# Altium PCB SRAD_SAC.PcbDoc
Units mm, origin at the board's own origin, x right, y up, seen from the top; angles counter-clockwise.
Board outline 107 x 54 mm, 2 copper layers (Top Layer, Bottom Layer), stack 1.67 mm thick; 38 components, 28 nets, 162 pads, 17 vias.
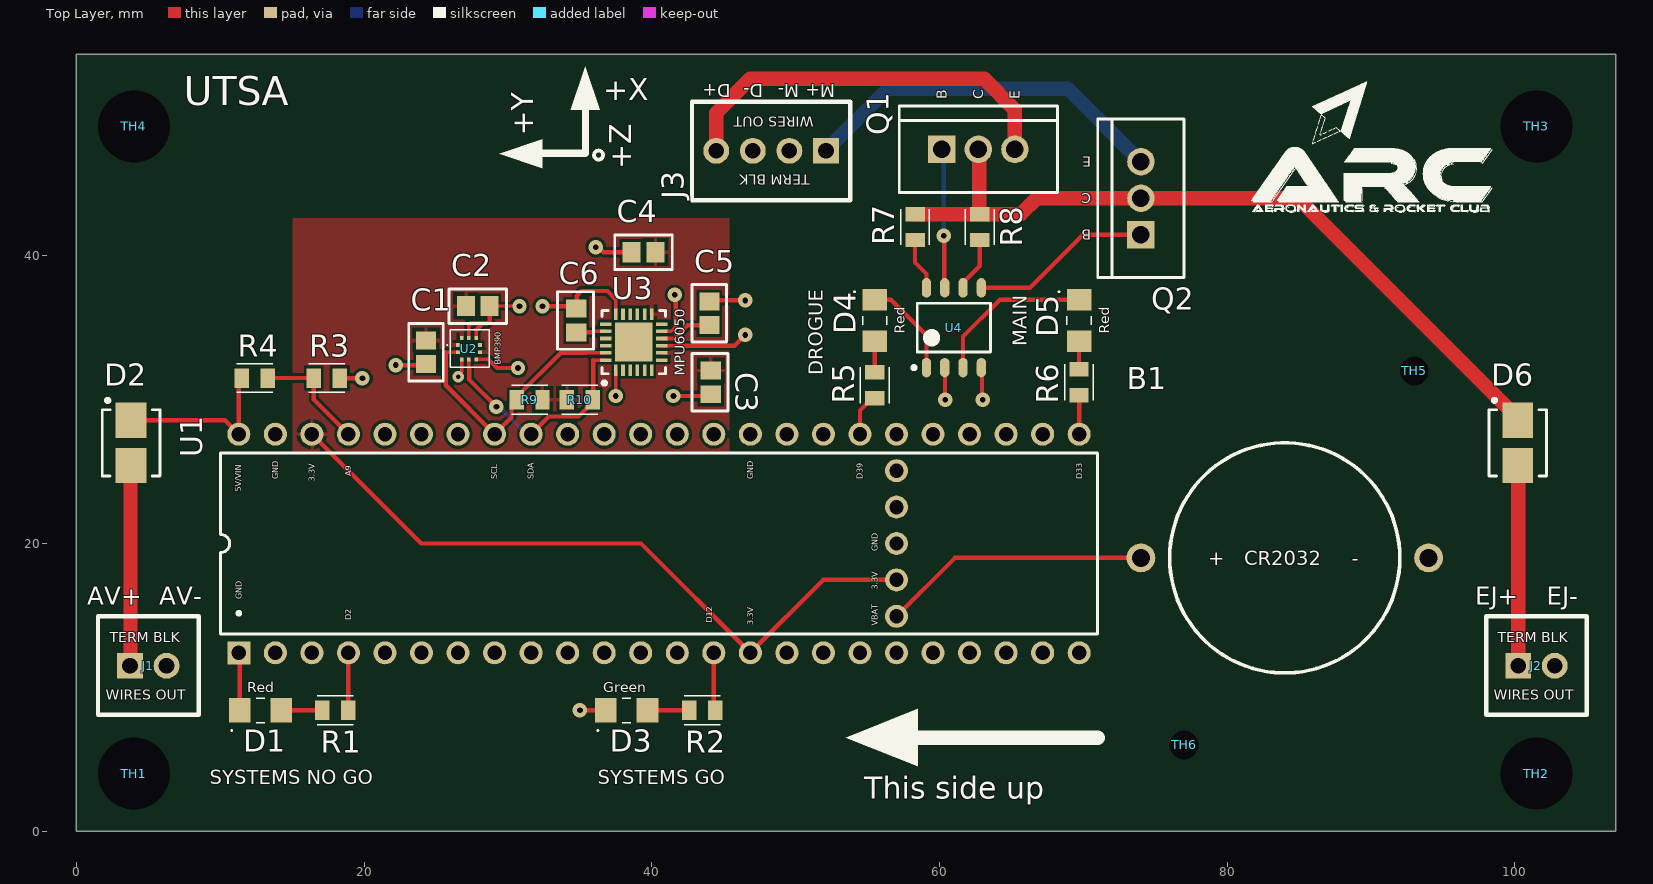
[diagram p0: Top Layer view]
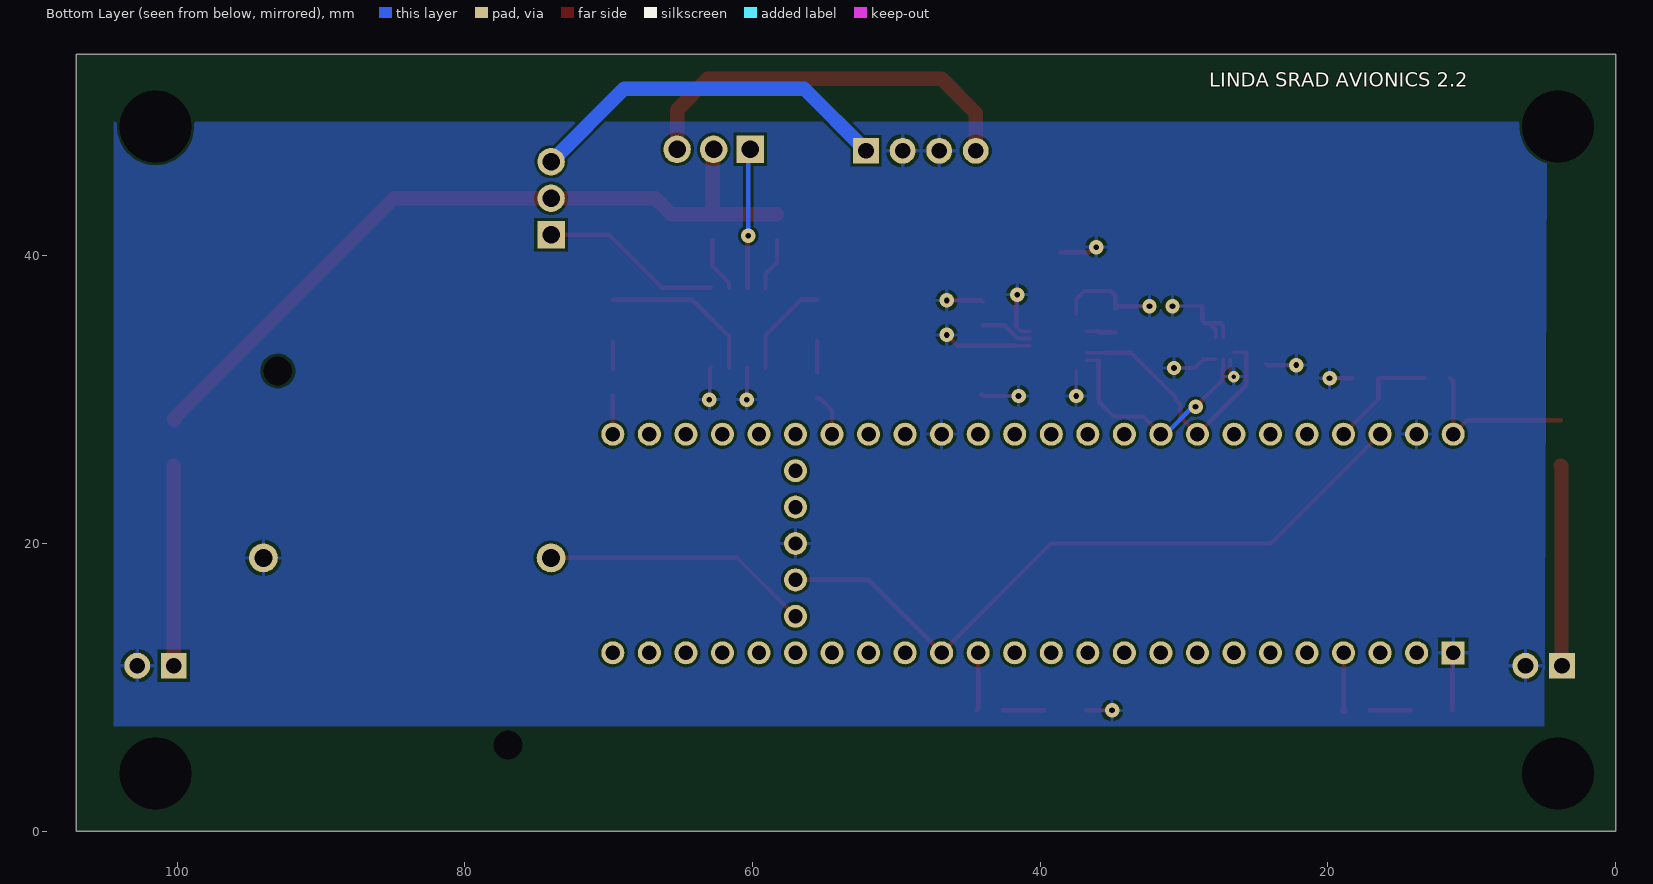
[diagram p1: Bottom Layer view, seen from below]
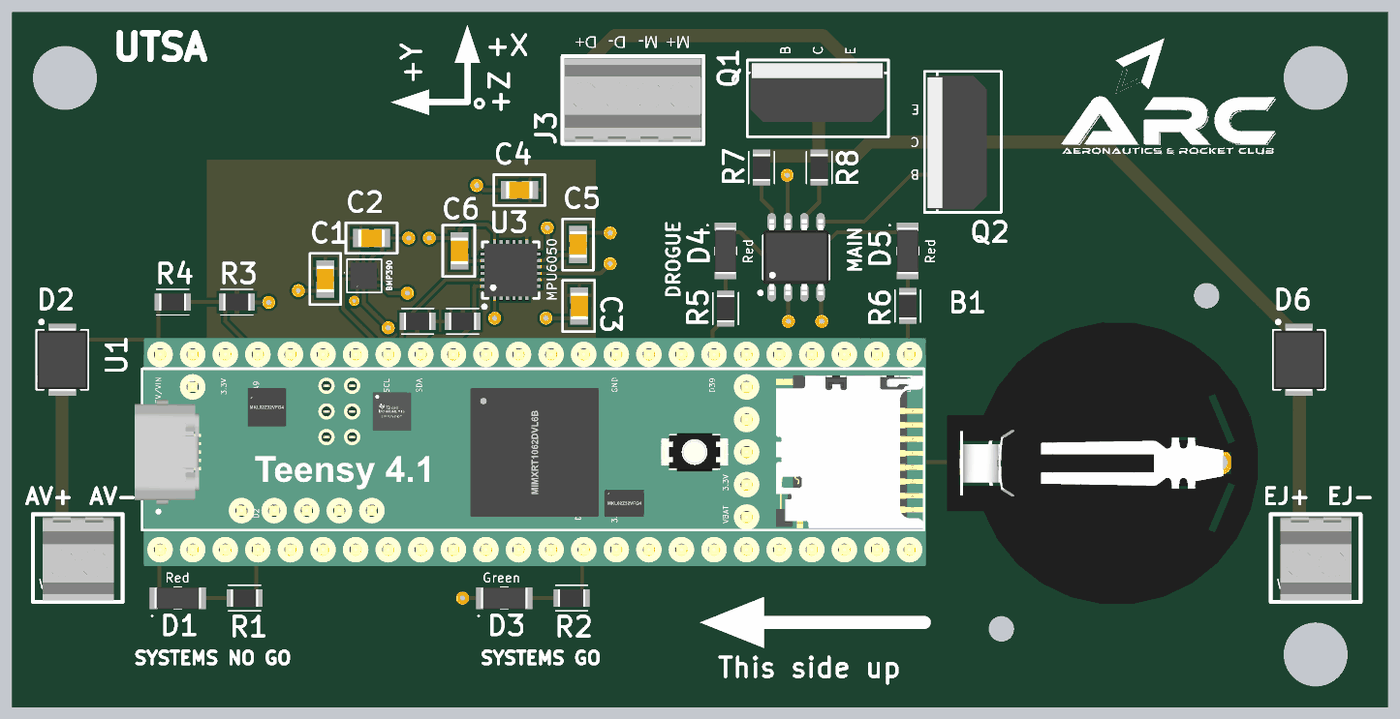
[diagram p2: 3D render of the assembled board from above, using the file's embedded part models]

## Layer stack, top to bottom
Top Solder: solder mask 0.0102, Solder Resist, Dk 3.5
Top Layer: signal copper 0.035
Dielectric 1: dielectric 1.6, FR-4, Dk 4.8
Bottom Layer: signal copper 0.035
Bottom Solder: solder mask 0.0102, Solder Resist, Dk 3.5

## Board outline
0,0 0,54 107,54 107,0

## Design rules (kind name [scope] priority, off if disabled: settings)
BoardOutlineClearance [All] p1: gap=0.2 ignorepadtopadclearanceinfootprint=FALSE
Clearance [All] p1: gap=0.2 ignorepadtopadclearanceinfootprint=TRUE
Clearance ClearanceDifferentNets [All] p2: gap=0.254 ignorepadtopadclearanceinfootprint=TRUE except(0.127: Arc-Arc Arc-Track Track-Track SMDPad-SMDPad; 0.2: Arc-SMDPad Arc-THPad Track-SMDPad Track-THPad; 0.5: THPad-THPad)
HoleSize [All] p1: absolutevalues=TRUE maxlimit=6.3 minlimit=0.2 maxpercent=80.000 minpercent=20.000
HoleSize NPTHSize [InDrillLayerPair('Top Layer - Bottom Layer')] p2: absolutevalues=TRUE maxlimit=6.3 minlimit=0.5 maxpercent=80.000 minpercent=20.000 // Non-Plated
HoleToHoleClearance [All] p1: gap=0.5 allowstackedmicrovias=TRUE
MinimumAnnularRing [All] p1: minimumring=0.25
MinimumSolderMaskSliver [All] p1: minsoldermaskwidth=0
PolygonConnect [All] p1: connectstyle=Relief reliefconductorwidth=0.254 reliefentries=4 polygonreliefangle="90 Angle" airgapwidth=0.254
RoutingTopology [InNet('3.3V')] p1: topology=Vertical
RoutingVias [All] p1: holewidth=0.5 width=1.3 viastyle="Through Hole" minholewidth=0.3 minwidth=0.5 maxholewidth=0.7 maxwidth=1.3
SMDNeckDown [InNet('VDARLING')] p1: percent=100.000
SolderMaskExpansion [InPadClass('All Pads')] p1: expansion=0.05 istentingtop=FALSE
Width "Schematic Width Constraint_5" [InNet('DROGUE_OUT_DARLING')] p1: maxlimit=1 minlimit=0.3 preferedwidth=1
Width "Schematic Width Constraint_4" [InNet('VDARLING')] p2: maxlimit=1 minlimit=0.3 preferedwidth=1
Width "Schematic Width Constraint_2" [InNet('V2')] p3: maxlimit=1 minlimit=0.3 preferedwidth=1
Width "Schematic Width Constraint" [InNet('MAIN_OUT_DARLING')] p4: maxlimit=1 minlimit=0.3 preferedwidth=1
Width [All] p5: maxlimit=1 minlimit=0.127 preferedwidth=0.3
26 further rules are at their usual default settings.

## Components (designator, comment, footprint, x,y, rotation, side; value= is the part's Value field where it differs from the comment)
B1 "CR2032" CR2032 84,19 r0 top
C1 "0.1uF" CAPC2012X14N_1_35mm_HEIGHT 24.3,33.3 r90 top
C2 "0.1uF" CAPC2012X14N_1_35mm_HEIGHT 27.9,36.5 r180 top
C3 "10nF" CAPC2012X07N_06mmHEIGHT 44.1,31.2 r90 top
C4 "0.1uF" CAPC2012X14N_1_35mm_HEIGHT 39.425,40.25 r180 top
C5 "0.1uF" CAPC2012X14N_1_35mm_HEIGHT 44,36 r90 top
C6 "2.2nF" CAPC2012X07N_06mmHEIGHT 34.75,35.5 r90 top
D1 "HSMC-C150" "DIOM3216X12N RED" 12.8,8.4 r180 top
D2 "LSM115JE3/TR13" DIOM4336X33N 3.8,27 r90 top
D3 "HSMM-C150" "DIOM3216X12N GREEN" 38.25,8.4 r180 top
D4 "HSMC-C150" "DIOM3216X12N RED" 55.5,35.5 r90 top
D5 "HSMC-C150" "DIOM3216X12N RED" 69.7,35.5 r90 top
D6 "LSM115JE3/TR13" DIOM4336X33N 100.2,27 r90 top
J1 "TERM BLK 4BP" "PCB TERM BLK 2P 2.54MM" 5,11.5 r0 top
J2 "TERM BLK 4BP" "PCB TERM BLK 2P 2.54MM" 101.5,11.5 r0 top
J3 "TERM BLK 4BP" "PCB TERM BLK 4P 2.54MM" 48.29,47.3 r180 top
Q1 "TIP121TU" "TIP121TU DARLINGTON" 62.7,47.4 r90 top
Q2 "TIP121TU" "TIP121TU DARLINGTON" 74,44 r180 top
R1 "1 kOhms" RESC2012X06N 18,8.4 r180 top value=1kR
R2 "200 Ohms" RESC2012X06N 43.5,8.4 r180 top
R3 "1 kOhms" RESC2012X06N 17.4,31.5 r180 top value=1kR
R4 "3.3 kOhms" RESC2012X06N 12.4,31.5 r180 top
R5 "200 Ohms" RESC2012X06N 55.5,31 r90 top
R6 "200 Ohms" RESC2012X06N 69.7,31.2 r90 top
R7 "1 kOhms" RESC2012X06N 58.3,42 r90 top value=1kR
R8 "1 kOhms" RESC2012X06N 62.8,42 r90 top value=1kR
R9 "4.7 kOhms" RESC2012X06N 31.5,30 r180 top
R10 "4.7 kOhms" RESC2012X06N 35,30 r0 top
TH1 "TH5MM" "Mounting Hole Non-Plated"#1 -11,6.5 r0 top
TH2 "TH5MM" "Mounting Hole Non-Plated"#2 102.5,4 r0 top
TH3 "TH5MM" "Mounting Hole Non-Plated"#3 101.5,49 r0 top
TH4 "TH5MM" "Mounting Hole Non-Plated"#3 4,49 r0 top
TH5 "TH2MM" "Mounting Hole Non-Plated 2MM" 93,32 r90 top
TH6 "TH2MM" "Mounting Hole Non-Plated 2MM" 77,6 r90 top
U1 "Teensy 4.1" "Teensy 4.1" 40.5,20 r90 top
U2 "BMP390" BMP390 27.287,33.55 r90 top
U3 "MPU6050" MPU6050 38.75,34 r90 top
U4 "FOD8802C" "SOIC127P590X363-8N OPTO" 61,35 r90 top

## Footprints (in the part's own frame and the unit in brackets; to place one, negate y for a bottom-side part, rotate by r counter-clockwise, add the part's x,y. Pads: shape width x height; smd on the part's side, far side on the other; paste and mask are expansions set on the pad)
BMP390 [mm] "LGA, 20-Leads, Body 2.00x2.00mmx0.80mm, Pitch 0.50mm"
  rect 0.25x0.275 smd mask+0.05: 1(0.25,0.763) 2(-0.25,0.763) 6(-0.25,-0.763) 7(0.25,-0.763)
  rect 0.275x0.25 smd mask+0.05: 3(-0.75,0.5) 4(-0.75,0) 5(-0.75,-0.5) 8(0.75,-0.5) 9(0.75,0) 10(0.75,0.5)
  silkscreen extent -1.3,-1.4 1.3,1.52, body extent -1.03,-1.03 1.03,1.03, height 0.81
CAPC2012X07N_06mmHEIGHT [mm] "Chip Capacitor, 2-Leads, Body 2.00x1.25mm, IPC Medium Density"
  rect 1.25x1.4 smd: 1(-0.825,0) 2(0.825,0)
  silkscreen extent -2,-1.2 2,1.3, body extent -1.05,-0.67 1.05,0.67, height 0.7
CAPC2012X14N_1_35mm_HEIGHT [mm] "Chip Capacitor, 2-Leads, Body 2.00x1.25mm, IPC Medium Density"
  rect 1.25x1.4 smd: 1(-0.825,0) 2(0.825,0)
  silkscreen extent -2,-1.2 2,1.2, body extent -1.05,-0.67 1.05,0.67, height 1.45
CR2032 [mm]
  round 2 hole 1.25: 1(-10,0) 2(10,0)
  silkscreen extent -8,-8 8,8, body extent -11.25,-11.12 13.04,10.97, height 8.7
"DIOM3216X12N GREEN" [mm] "Molded Diode, 2-Leads, Body 3.20x1.60mm, IPC Medium Density"
  rect 1.5x1.7 smd: 1(-1.45,0) 2(1.45,0)
  silkscreen extent -0.3,-0.85 2.05,1.45, body extent -1.87,-0.85 1.87,0.85, height 1.2
"DIOM3216X12N RED" [mm] "Molded Diode, 2-Leads, Body 3.20x1.60mm, IPC Medium Density"
  rect 1.5x1.7 smd: 1(-1.45,0) 2(1.45,0)
  silkscreen extent -0.3,-0.85 2.05,1.45, body extent -1.87,-0.85 1.87,0.85, height 1.2
DIOM4336X33N [mm] "Molded Diode, 2-Leads, Body 4.31x3.62mm, IPC Medium Density"
  rect 2.45x2.15 smd: 1(-1.575,0) 2(1.575,0)
  silkscreen extent -2.3,-2 3.07,2, body extent -2.5,-1.97 2.5,1.97, height 3.3
"Mounting Hole Non-Plated"#1 [mm]
  round 0 hole 5 unplated: "Mounting Hole Non-Plated"(15,-2.5)
"Mounting Hole Non-Plated"#2 [mm]
  round 0 hole 5 unplated: "Mounting Hole Non-Plated"(-1,0)
"Mounting Hole Non-Plated"#3 [mm]
  round 0 hole 5 unplated: "Mounting Hole Non-Plated"(0,0)
"Mounting Hole Non-Plated 2MM" [mm]
  round 0 hole 2 unplated: "Mounting Hole Non-Plated"(0,0)
MPU6050 [mm] "QFN, 24-Leads, Body 4.00x4.00mm, Pitch 0.50mm, Thermal Pad 2.70x2.60mm, IPC Medium Density"
  rect 0.8x0.25 smd mask+0.05: 1(-1.95,1.25) 2(-1.95,0.75) 3(-1.95,0.25) 4(-1.95,-0.25) 5(-1.95,-0.75) 6(-1.95,-1.25) 13(1.95,-1.25) 14(1.95,-0.75) 15(1.95,-0.25) 16(1.95,0.25) 17(1.95,0.75) 18(1.95,1.25)
  rect 0.25x0.8 smd mask+0.05: 7(-1.25,-1.95) 8(-0.75,-1.95) 9(-0.25,-1.95) 10(0.25,-1.95) 11(0.75,-1.95) 12(1.25,-1.95) 19(1.25,1.95) 20(0.75,1.95) 21(0.25,1.95) 22(-0.25,1.95) 23(-0.75,1.95) 24(-1.25,1.95)
  rect 2.7x2.6 smd mask+0.05: 25(0,0)
  silkscreen extent -2.97,-2.2 2.2,2.2, body extent -2.05,-2.05 2.05,2.05, height 0.95
"PCB TERM BLK 2P 2.54MM" [mm]
  rect 1.8x1.8 hole 1.1: 1(-1.27,0)
  round 1.8 hole 1.1: 2(1.27,0)
  silkscreen extent -3.5,-3.4 3.5,3.45, body extent -2.74,-3.3 2.8,3.2, height 9.51
"PCB TERM BLK 4P 2.54MM" [mm]
  rect 1.8x1.8 hole 1.1: 1(-3.81,0)
  round 1.8 hole 1.1: 2(-1.27,0) 3(1.27,0) 4(3.81,0)
  silkscreen extent -5.5,-3.4 5.5,3.45, body extent -5.31,-3.22 5.31,3.27, height 9.51
RESC2012X06N [mm] "Chip Resistor, 2-Leads, Body 2.00x1.25mm, IPC Medium Density"
  rect 1x1.35 smd: 1(-0.9,0) 2(0.9,0)
  silkscreen extent -1.25,-1 1.25,1, body extent -1.05,-0.67 1.05,0.67, height 0.6
"SOIC127P590X363-8N OPTO" [mm] "SOIC, 8-Leads, Body 4.88x3.91mm, Pitch 1.27mm, IPC Medium Density"
  oval 1.35x0.65 smd: 1(-2.775,1.905) 2(-2.775,0.635) 3(-2.775,-0.635) 4(-2.775,-1.905) 5(2.775,-1.905) 6(2.775,-0.635) 7(2.775,0.635) 8(2.775,1.905)
  silkscreen extent -2.9,-2.55 1.7,2.9, body extent -2.97,-2.55 2.97,2.55, height 3.63
"Teensy 4.1" [mm]
  rect 1.6x1.6 hole 1: 1(-7.6,29.21)
  round 1.6 hole 1: 2(-7.6,26.67) 3(-7.6,24.13) 4(-7.6,21.59) 5(-7.6,19.05) 6(-7.6,16.51) 7(-7.6,13.97) 8(-7.6,11.43) 9(-7.6,8.89) 10(-7.6,6.35) 11(-7.6,3.81) 12(-7.6,1.27) 13(-7.6,-1.27) 14(-7.6,-3.81) 15(-7.6,-6.35) 16(-7.6,-8.89) 17(-7.6,-11.43) 18(-7.6,-13.97) 19(-7.6,-16.51) 20(-7.6,-19.05) 21(-7.6,-21.59) 22(-7.6,-24.13) 23(-7.6,-26.67) 24(-7.6,-29.21) 25(7.6,-29.21) 26(7.6,-26.67) 27(7.6,-24.13) 28(7.6,-21.59) 29(7.6,-19.05) 30(7.6,-16.51) 31(7.6,-13.97) 32(7.6,-11.43) 33(7.6,-8.89) 34(7.6,-6.35) 35(7.6,-3.81) 36(7.6,-1.27) 37(7.6,1.27) 38(7.6,3.81) 39(7.6,6.35) 40(7.6,8.89) 41(7.6,11.43) 42(7.6,13.97) 43(7.6,16.51) 44(7.6,19.05) 45(7.6,21.59) 46(7.6,24.13) 47(7.6,26.67) 48(7.6,29.21) 49(-5.06,-16.51) 50(-2.53,-16.51) 51(0,-16.51) 52(2.53,-16.51) 53(5.06,-16.51)
  silkscreen extent -6.3,-30.48 6.3,30.48, body extent -9.09,-30.61 8.69,31.05, height 2.45
"TIP121TU DARLINGTON" [mm]
  rect 1.91x1.91 hole 1.21: 1(0,2.54)
  round 1.91 hole 1.21: 2(0,0) 3(0,-2.54)
  silkscreen extent -3,-5.5 3,5.5, body extent -1.85,-5.16 2.75,5.26, height 19.71

## Part data
B1: "CR2032 Coin cell battery of 3V."
C1 C2 C4 C5: library part CC0805JPX7R8BB104, "Capacitor Multilayer Ceramic MLCC - SMD/SMT 25 V 0.1uF X7R 0805 5%", Manufacturer=Yageo, Supplier Part Number 1=603-CC0805JPX7R8BB10, Category="Ceramic Capacitors", Manufacturer Part Number=CC0805JPX7R8BB104, Pricing 1="1=0.14000, 10=0.09400, 50=0.09400, 100=0.04800, 1000=0.02900, 10000=0.02300 (USD)", RoHS=Yes, RoHS Compliant=Yes, Stock 1=164887, Supplier 1=Mouser
C3: library part CC0805JRX7R9BB103, "Capacitor Multilayer Ceramic MLCC - SMD/SMT 50V 10nF X7R 0805 5%", Case Code (Imperial)=0805, Case Code (Metric)=2012, Dielectric=X7R, Insulation Resistance=10GR, Manufacturer=Yageo, Max Operating Temperature=125°C, Min Operating Temperature=-55°C, Package Quantity=4000, Resistor Type=Ceramic, Supplier Part Number 1=603-CC805JRX7R9BB103, Tolerance=5%, Voltage Rating=50V, Case/Package=0805, Category="Ceramic Capacitors", ComponentLink1Description=https://datasheet.ciiva.com/26862/getdatasheetpartid-251801-26862952.pdf?src-supplier=Verical, ComponentLink1URL=https://datasheet.ciiva.com/26862/getdatasheetpartid-251801-26862952.pdf?src-supplier=Verical, ComponentLink2Description=https://datasheet.ciiva.com/11583/upy-gphc-x7r-6-3v-to-50v-8-11583532.pdf?src-supplier=Avnet, ComponentLink2URL=https://datasheet.ciiva.com/11583/upy-gphc-x7r-6-3v-to-50v-8-11583532.pdf?src-supplier=Avnet, ComponentLink3Description=https://datasheet.ciiva.com/13385/upy-gphc-x7r-6-3v-to-50v-8-13385902.pdf?src-supplier=Mouser, ComponentLink3URL=https://datasheet.ciiva.com/13385/upy-gphc-x7r-6-3v-to-50v-8-13385902.pdf?src-supplier=Mouser, Construction=Flat, Depth=1.25mm, Dissipation Factor=2.5%, Halogen Free="Halogen Free", Height=0.6mm, Lead Free="Lead Free", Length=2mm, Manufacturer Part Number=CC0805JRX7R9BB103, Mounting Technology="Surface Mount", Packaging="Tape and Reel", Pins=2, Pricing 1="1=0.12000, 10=0.05000, 50=0.05000, 100=0.04100, 1000=0.02400, 10000=0.01700 (USD)", Radiation Hardening=No, RoHS=Yes, RoHS Compliant=Yes, Series=CC, Stock 1=102180, Supplier 1=Mouser, Termination=SMD/SMT, Thickness=0.071inch, Voltage Rating (DC)=50V, Width=0.049inch
C6: library part CC0805JRX7R9BB222, "Capacitor Multilayer Ceramic MLCC - SMD/SMT 50 V 2.2nF X7R 0805 5%", Case Code (Imperial)=0805, Case Code (Metric)=2012, Dielectric=X7R, Manufacturer=Yageo, Max Operating Temperature=125°C, Min Operating Temperature=-55°C, Resistor Type=Ceramic, Supplier Part Number 1=603-CC805JRX7R9BB222, Tolerance=5%, Voltage Rating=50V, Case/Package=0805, Category="Ceramic Capacitors", ComponentLink1Description=https://datasheet.ciiva.com/5425/upy-gphc-x7r-6-3v-to-50v-8-12304-5425448.pdf?src-supplier=Mouser, ComponentLink1URL=https://datasheet.ciiva.com/5425/upy-gphc-x7r-6-3v-to-50v-8-12304-5425448.pdf?src-supplier=Mouser, ComponentLink2Description=https://datasheet.ciiva.com/11583/upy-gphc-x7r-6-3v-to-50v-8-11583549.pdf?src-supplier=Avnet, ComponentLink2URL=https://datasheet.ciiva.com/11583/upy-gphc-x7r-6-3v-to-50v-8-11583549.pdf?src-supplier=Avnet, ComponentLink3Description=https://datasheet.ciiva.com/26829/getdatasheetpartid-407633-26829532.pdf?src-supplier=Verical, ComponentLink3URL=https://datasheet.ciiva.com/26829/getdatasheetpartid-407633-26829532.pdf?src-supplier=Verical, Depth=1.25mm, Halogen Free="Halogen Free", Height=0.6mm, Lead Free="Lead Free", Length=2mm, Manufacturer Part Number=CC0805JRX7R9BB222, Mounting Technology="Surface Mount", Packaging="Tape and Reel", Pricing 1="1=0.14000, 10=0.06300, 50=0.06300, 100=0.04600, 1000=0.02800, 10000=0.01700 (USD)", Radiation Hardening=No, RoHS=Yes, RoHS Compliant=Yes, Series=CC, Stock 1=8721, Supplier 1=Mouser, Termination=SMD/SMT, Thickness=0.028inch, Voltage Rating (DC)=50V, Width=0.049inch
D1 D4 D5: library part "DIOM3216X12N RED", "Red 626nm LED Indication - Discrete 1.9V 1206 (3216 Metric)", Case Code (Imperial)=1206, Case Code (Metric)=3016, Color=Red, Forward Current=20mA, Forward Voltage=1.9V, Lens Color=White, Manufacturer="Broadcom Avago", Max Operating Temperature=85°C, Max Power Dissipation=60mW, Min Operating Temperature=-40°C, Package Quantity=1, Reverse Voltage=5V, Supplier Part Number 1=516-2825-2-ND, Case/Package=1206, Category=LEDs, ComponentLink1Description=https://datasheet.ciiva.com/29281/180506-da-01-en-chip-led-hsmc-c150-rot-29281000.pdf?src-supplier=Conrad, ComponentLink1URL=https://datasheet.ciiva.com/29281/180506-da-01-en-chip-led-hsmc-c150-rot-29281000.pdf?src-supplier=Conrad, ComponentLink2Description=https://datasheet.ciiva.com/48430/hsmx-c110-170-190-191-150-eng-tds-48430136.pdf?src-supplier=Distrelec, ComponentLink2URL=https://datasheet.ciiva.com/48430/hsmx-c110-170-190-191-150-eng-tds-48430136.pdf?src-supplier=Distrelec, ComponentLink3Description=https://datasheet.ciiva.com/22656/80886-22656552.pdf?src-supplier=Element14, ComponentLink3URL=https://datasheet.ciiva.com/22656/80886-22656552.pdf?src-supplier=Element14, ComponentLink4Description=https://datasheet.ciiva.com/22656/80886-22656553.pdf?src-supplier=Element14, ComponentLink4URL=https://datasheet.ciiva.com/22656/80886-22656553.pdf?src-supplier=Element14, Depth=1.6mm, Dominant Wavelength=626nm, Height=1.1mm, Illumination Color=Red, Length=3.2mm, Lens Style=Diffused,Colorless,Rectangular, Lens Transparency=Diffused, Luminous Intensity=90mcd, Manufacturer Part Number=HSMC-C150, Mounting Technology="Surface Mount", Number of Elements=1, Number of LEDs=1, Packaging="Tape and Reel", Pins=2, Power Dissipation=60mW, Power Rating=60mW, Pricing 1="3000=0.18077, 6000=0.16871, 15000=0.16269, 30000=0.16028 (USD)", Radiation Hardening=No, Reach SVHC Compliant=Yes, RoHS=Yes, RoHS Compliant=Yes, Series=-, Stock 1=24000, Supplier 1=Digi-Key, Test Current=20mA, Viewing Angle=170°, Wavelength=626nm, Width=1.6mm
D2 D6: library part "DIOM4336X33N Schottky Diode", "Diode 15 V 1A Surface Mount DO-214BA 220mV dropout @1A 10mA leakage current @15V -55°C ~ 150°C Maximum surge current of 50A for 8.3ms", Manufacturer=Microchip, Supplier Part Number 1=150-LSM115JE3/TR13TR-ND, Category="Rectifier Diodes", Manufacturer Part Number=LSM115JE3/TR13, Pricing 1="3000=0.55500 (USD)", RoHS=Yes, Stock 1=319959, Supplier 1=Digi-Key
D3: library part "DIOM3216X12N GREEN", "Green 525nm LED Indication - Discrete 3.3V 1206 (3216 Metric)", Case Code (Imperial)=1206, Color=Green, Forward Current=20mA, Forward Voltage=3.3V, Lens Color=White, Manufacturer="Broadcom Avago", Max Operating Temperature=85°C, Max Power Dissipation=78mW, Min Operating Temperature=-40°C, Package Quantity=3000, Reverse Voltage=5V, Supplier Part Number 1=516-HSMM-C150TR-ND, Case/Package=1206, Category=LEDs, ComponentLink1Description=http://components.arrow.com/part/dataview/2630207S7245440N7786?src-supplier=Arrow+Electronics, ComponentLink1URL=http://components.arrow.com/part/dataview/2630207S7245440N7786?src-supplier=Arrow+Electronics, ComponentLink2Description=https://docs.broadcom.com/docs/AV02-0592EN?src-supplier=Digi-Key, ComponentLink2URL=https://docs.broadcom.com/docs/AV02-0592EN?src-supplier=Digi-Key, ComponentLink3Description=http://www.avagotech.com/docs/AV02-0592EN?src-supplier=Avnet, ComponentLink3URL=http://www.avagotech.com/docs/AV02-0592EN?src-supplier=Avnet, ComponentLink4Description=http://www.avagotech.com/docs/AV02-0592EN?src-supplier=Mouser, ComponentLink4URL=http://www.avagotech.com/docs/AV02-0592EN?src-supplier=Mouser, ComponentLink5Description=http://www.farnell.com/datasheets/1804332.pdf?src-supplier=Element14, ComponentLink5URL=http://www.farnell.com/datasheets/1804332.pdf?src-supplier=Element14, Contact Plating=Gold, Dominant Wavelength=525nm, Height=1.1mm, Illumination Color=Green, Lead Free="Lead Free", Length=3.2mm, Lens Style=Diffused,Colorless,Rectangular, Lens Transparency=Diffused, Luminous Intensity=120mcd, Manufacturer Part Number=HSMM-C150, Mounting Technology="Surface Mount", Number of LEDs=1, Packaging="Tape and Reel", Pins=2, Power Rating=78mW, Pricing 1="3000=0.48083, 6000=0.46999, 15000=0.45914 (USD)", RoHS=Yes, RoHS Compliant=Yes, Series=-, Stock 1=3000, Supplier 1=Digi-Key, Test Current=20mA, Viewing Angle=170°, Wavelength=525nm, Width=1.6mm
J1 J2: library part "PCB TERM BLK 2P 2.54MM", "2 Position Wire to Board Terminal Block Horizontal with Board 0.100\" (2.54mm) Through Hole 10A 150V 16-30 AWG 0.2 Nm M1.6 screw -40°C ~ 105°C", Color=Green, Current=10A, Flammability Rating="UL94 V-0", Manufacturer="TE Connectivity", Manufacturer Part Number=282834-2, Max Operating Temperature=105°C, Max Supply Voltage (AC)=150V, Min Operating Temperature=-40°C, Package Quantity=300, Supplier Part Number 1=A98333-ND, Approvals=UL, Category="Terminal Blocks", Closed End="No (Without)", ComponentLink1Description=https://datasheet.ciiva.com/16386/282834-2-16386363.pdf?src-supplier=Future+Electronics, ComponentLink1URL=https://datasheet.ciiva.com/16386/282834-2-16386363.pdf?src-supplier=Future+Electronics, ComponentLink2Description=https://datasheet.ciiva.com/30166/eng-cs-1308389-eurostyle-terminal-blocks-0607-30166974.pdf?src-supplier=Onlinecomponents.com, ComponentLink2URL=https://datasheet.ciiva.com/30166/eng-cs-1308389-eurostyle-terminal-blocks-0607-30166974.pdf?src-supplier=Onlinecomponents.com, ComponentLink3Description=https://datasheet.ciiva.com/14609/70086732-14609670.pdf?src-supplier=Allied+Electronics, ComponentLink3URL=https://datasheet.ciiva.com/14609/70086732-14609670.pdf?src-supplier=Allied+Electronics, ComponentLink4Description=https://datasheet.ciiva.com/15169/getdatasheetpartid-155864-15169558.pdf?src-supplier=Verical, ComponentLink4URL=https://datasheet.ciiva.com/15169/getdatasheetpartid-155864-15169558.pdf?src-supplier=Verical, ComponentLink5Description=https://datasheet.ciiva.com/3141/eng-cs-1308389-eurostyle-terminal-blocks-0607-3141115.pdf?src-supplier=Avnet, ComponentLink5URL=https://datasheet.ciiva.com/3141/eng-cs-1308389-eurostyle-terminal-blocks-0607-3141115.pdf?src-supplier=Avnet, Connector Type=Receptacle, Contact Material=Brass, Contact Plating=Tin, Current Rating=10A, Depth=6.5mm, ELV=Compliant, Gender=Male, Housing Color=Green, Housing Material=Polyamide, Interlock="No (Without)", Lead Free="Lead Free", Length=5.54mm, Material=Nylon, Max Current Rating=10A, Max Voltage Rating (AC)=150V, Mounting Technology="Through Hole", Number of Circuits=2, Number of Contacts=2, Number of Levels=1, Number of Poles=2, Number of Positions=2, Number of Positions Per Level=2, Number of Rows=1, Orientation=Straight, Packaging=Bulk, Pitch=2.54mm, Plating=Brass,Steel, Pricing 1="1=1.95000, 10=1.47400, 25=1.36640, 50=1.22860, 100=1.19860, 250=1.04876, 500=0.95886, 1000=0.86896, 5000=0.76409 (USD)", Radiation Hardening=No, RoHS=Yes, RoHS Compliant=Yes, Screw Flange="No (Without)", Screwless Terminal Block="Yes (With)", Series=Buchanan, Side Stackable="Yes (With)", Stock 1=34508, Supplier 1=Digi-Key, Tail Length=3.4mm, Termination=Solder, Thread Size=M1.6, Voltage=150V, Voltage Rating=150V, Width=6.5mm, Wire Gauge (Max)=30AWG, Wire Gauge (Min)=30AWG, Wire/Cable Gauge=30AWG
J3: library part "PCB TERM BLK 4P 2.54MM", "4 Position Wire to Board Terminal Block Horizontal with Board 0.100\" (2.54mm) Through Hole 10A 150V 16-30 AWG 0.2 Nm M1.6 screw -40°C ~ 105°C", Color=Green, Current=10A, Flammability Rating="UL94 V-0", Manufacturer="TE Connectivity", Manufacturer Part Number=282834-4, Max Operating Temperature=105°C, Max Supply Voltage (AC)=150V, Min Operating Temperature=-40°C, Package Quantity=150, Supplier Part Number 1=A98335-ND, Approvals=UL, Category="Terminal Blocks", Closed End="No (Without)", ComponentLink1Description=https://datasheet.ciiva.com/5741/1605505-5741440.pdf?src-supplier=Farnell, ComponentLink1URL=https://datasheet.ciiva.com/5741/1605505-5741440.pdf?src-supplier=Farnell, ComponentLink2Description=https://datasheet.ciiva.com/30254/eng-cs-1308389-eurostyle-terminal-blocks-0607-30254374.pdf?src-supplier=Onlinecomponents.com, ComponentLink2URL=https://datasheet.ciiva.com/30254/eng-cs-1308389-eurostyle-terminal-blocks-0607-30254374.pdf?src-supplier=Onlinecomponents.com, ComponentLink3Description=https://datasheet.ciiva.com/14609/70087596-14609846.pdf?src-supplier=Allied+Electronics, ComponentLink3URL=https://datasheet.ciiva.com/14609/70087596-14609846.pdf?src-supplier=Allied+Electronics, ComponentLink4Description=https://datasheet.ciiva.com/3141/eng-cs-1308389-eurostyle-terminal-blocks-0607-3141117.pdf?src-supplier=Avnet, ComponentLink4URL=https://datasheet.ciiva.com/3141/eng-cs-1308389-eurostyle-terminal-blocks-0607-3141117.pdf?src-supplier=Avnet, ComponentLink5Description=https://datasheet.ciiva.com/823/eng-cd-282834-c1-823474.pdf?src-supplier=Digi-Key, ComponentLink5URL=https://datasheet.ciiva.com/823/eng-cd-282834-c1-823474.pdf?src-supplier=Digi-Key, Connector Type=Receptacle, Contact Material=Brass, Contact Plating=Tin, Current Rating=10A, Depth=6.5mm, ELV=Compliant, Housing Color=Green, Housing Material=Polyamide, Interlock="No (Without)", Lead Free="Lead Free", Length=10.62mm, Max Current Rating=10A, Max Voltage Rating (AC)=150V, Mounting Technology="Through Hole", Number of Circuits=4, Number of Contacts=4, Number of Levels=1, Number of Poles=4, Number of Positions=4, Number of Positions Per Level=4, Number of Rows=1, Orientation=Straight, Packaging=Bulk, Pitch=2.54mm, Plating=Brass,Steel, Pricing 1="1=3.48000, 10=2.64900, 25=2.48120, 50=2.20540, 100=2.15740, 250=1.98964, 500=1.79786, 1000=1.59409, 5000=1.49821 (USD)", Radiation Hardening=No, RoHS=Yes, RoHS Compliant=Yes, Screw Flange="No (Without)", Screwless Terminal Block="Yes (With)", Series=Buchanan, Side Stackable="Yes (With)", Stock 1=8416, Supplier 1=Digi-Key, Tail Length=3.4mm, Termination=Solder, Thread Size=M1.6, Voltage=150V, Voltage Rating=150V, Wire Gauge (Max)=30AWG, Wire Gauge (Min)=30AWG, Wire/Cable Gauge=30AWG
Q1 Q2: "Bipolar (BJT) Transistor NPN - Darlington 80 V 5 A 2 W Through Hole TO-220-3", Case/Package=TO-220AB, Collector Base Voltage (VCBO)=80V, Collector Emitter Saturation Voltage=2V, Collector-emitter Voltage-Max=4V, Current Rating=5A, Emitter Base Voltage (VEBO)=5V, Manufacturer="ON Semiconductor / Fairchild", Max Operating Temperature=150°C, Max Power Dissipation=2W, Min Operating Temperature=-65°C, Package Quantity=50, Supplier Part Number 1=512-TIP121TU, Category=BJTs, Collector Emitter Breakdown Voltage=80V, Collector Emitter Voltage (VCEO)=80V, ComponentLink1Description=https://datasheet.ciiva.com/4459/tip121-197068-4459491.pdf?src-supplier=Mouser, ComponentLink1URL=https://datasheet.ciiva.com/4459/tip121-197068-4459491.pdf?src-supplier=Mouser, ComponentLink2Description=https://datasheet.ciiva.com/979/tip122-979470.pdf?src-supplier=Digi-Key, ComponentLink2URL=https://datasheet.ciiva.com/979/tip122-979470.pdf?src-supplier=Digi-Key, ComponentLink3Description=https://datasheet.ciiva.com/11211/tip121-11211002.pdf?src-supplier=Avnet, ComponentLink3URL=https://datasheet.ciiva.com/11211/tip121-11211002.pdf?src-supplier=Avnet, Contact Plating=Tin,Matte, Element Configuration=Single, Height=16.51mm, hFE Min=1000, Lead Free="Lead Free", Length=10.67mm, Manufacturer Part Number=TIP121TU, Max Collector Current=5A, Mounting Technology="Through Hole", Number of Elements=1, Packaging=Rail/Tube, Pins=3, Polarity=NPN, Power Dissipation=2W, Pricing 1="1=0.89000, 10=0.79300, 50=0.79300, 100=0.61300, 1000=0.43800, 10000=0.40800 (USD)", Radiation Hardening=No, RoHS=Yes, RoHS Compliant=Yes, Series=-, Stock 1=1945, Supplier 1=Mouser, Voltage Rating (DC)=80V, Weight=1.214g, Width=4.83mm
R1 R3 R7 R8: library part "RC0805FR-7W1KL Yageo", "1 kOhms ±1% 0.25W, 1/4W Chip Resistor 0805 (2012 Metric) Moisture Resistant Thick Film", Case/Package=0805, Manufacturer=Yageo, Manufacturer Part Number=RC0805FR-7W1KL, Supplier Part Number 1=13-RC0805FR-7W1KLTR-ND, Tolerance=1%, Category="Chip SMD Resistors", Pricing 1="5000=0.01838, 10000=0.01715, 25000=0.01629, 50000=0.01596, 125000=0.01562 (USD)", RoHS=Yes, RoHS Compliant=Yes, Stock 1=15000, Supplier 1=Digi-Key
R2 R5 R6: library part "RC0805FR-7W200RL Yageo", "200 Ohms ±1% 0.25W, 1/4W Chip Resistor 0805 (2012 Metric) Moisture Resistant Thick Film", Manufacturer=Yageo, Manufacturer Part Number=RC0805FR-7W200RL, Supplier Part Number 1=13-RC0805FR-7W200RL-ND, Category=Resistors, Pricing 1="5000=0.01838 (USD)", RoHS=No, Supplier 1=Digi-Key
R4: library part "RC0805FR-7W3K3L Yageo", "3.3 kOhms ±1% 0.25W, 1/4W Chip Resistor 0805 (2012 Metric) Moisture Resistant Thick Film", Manufacturer=Yageo, Manufacturer Part Number=RC0805FR-7W3K3L, Category="Chip SMD Resistors", Pricing 1="5000=0.00430, 10000=0.00424, 20000=0.00411 (USD)", RoHS=Yes, Supplier 1=Avnet, Supplier Part Number 1=RC0805FR-7W3K3L
R9 R10: library part "RC0805FR-7W4K7L Yageo", "4.7 kOhms ±1% 0.25W, 1/4W Chip Resistor 0805 (2012 Metric) Moisture Resistant Thick Film", Manufacturer=Yageo, Manufacturer Part Number=RC0805FR-7W4K7L, Supplier Part Number 1=13-RC0805FR-7W4K7L-ND, Category="Chip SMD Resistors", Pricing 1="5000=0.01838 (USD)", RoHS=Yes, RoHS Compliant=Yes, Supplier 1=Digi-Key
TH1 TH2 TH3 TH4: library part "Mounting Hole Non-Plated", "Non-plated THT 5mm diameter"
TH5 TH6: library part "Mounting Hole Non-Plated 2mm", "Non-plated THT 2mm diameter"
U1: "RT1062 Teensy 4.1 - ARM® Cortex®-M7 MCU 32-Bit Embedded Evaluation Board 600 MHz 100 mA RTC Built-in microSD Card reader Arduino IDE compatible", Manufacturer=SparkFun, Manufacturer Part Number=DEV-16996, Supplier Part Number 1=1568-DEV-16996-ND, Category="Embedded Processors and Controllers", Pricing 1="1=31.88000 (USD)", RoHS=No, Stock 1=300, Supplier 1=Digi-Key
U2: "Barometric pressure sensor manufactured by Bosch.", Supplier=Rutrinik24, Supplier ID=ICENVI1363
U3: "Accelerometer and gyroscope 6 DOF sensor. GY-521 breakout board by HiLetgo and MPU6050 chip by Invensense."
U4: "Optoisolator Transistor Output 2500Vrms 2 Channel 8-SOIC 75V max 30mA/channel Vf 1.35V -40°C ~ 125°C minimum CTR of   / 140% @ 1mA maximum CTR of   / 380% @ 1mA", Manufacturer="ON Semiconductor", Supplier Part Number 1=488-FOD8802C-ND, Category=Optocouplers, Manufacturer Part Number=FOD8802C, Pricing 1="1=1.72000, 10=1.54500, 25=1.45760, 100=1.24180, 250=1.16600, 500=1.02024, 1000=0.84535, 2500=0.78705, 5000=0.75790 (USD)", RoHS=No, Stock 1=2868, Supplier 1=Digi-Key

## Via types
v1: diameter 1, hole 0.4, Top Layer to Bottom Layer, 16 vias
v2: diameter 0.8, hole 0.3, Top Layer to Bottom Layer, 1 vias

## Nets (pads, with @x,y where several pads share a name; then routed paths per layer and width w, separated by ;. In a path a pad name is that pad's centre, name@x,y a point inside that pad or via, vN(x,y) a via of type N, cw(c..) or ccw(c..) an arc to the next point about the centre after c; other vN are vias at no path point)
3.3V: C1.2 C2.2 C3.2 C4.1 R9.1 R10.1 U1.15 U1.46 U1.50 U2.1 U2.6 U2.10 U3.8 U3.13 | length 49
  Top Layer w0.3: U1.46 23.97,20 39.25,20 U1.15 51.92,17.47 U1.50
A9: R3.2 R4.1 U1.45 | length 8.1
  Top Layer w0.3: R4.1 R3.2 16.5,30.01 U1.45
CHECK_VIN: D2.2 R4.2 U1.48 | length 11.9
  Top Layer w0.3: D2.2 10.315,28.575 U1.48 11.29,31.29 R4.2
CPOUT: C6.1 U3.20 | length 2.1
  Top Layer w0.25: 36.025,34.75 U3.20
  Top Layer w0.3: C6.1 35.95,34.675 36.025,34.75
DROGUE: R5.1 U1.31 | length 3
  Top Layer w0.3: U1.31 54.47,29.245 55.325,30.1 R5.1
DROGUE_OPTO: D4.2 U4.1 | length 6.9
  Top Layer w0.3: D4.2 56.631,36.95 59.102,34.479 U4.1@59.102,32.232
DROGUE_OPTO_C: R7.1 U4.8 | length 3.7
  Top Layer w0.3: R7.1 58.3,39.525 59.095,38.73 U4.8
DROGUE_OPTO_E: Q1.1 U4.7 | length 9.7
  Top Layer w0.3: v1(60.3,41.4) 60.332,41.367 60.332,37.807 U4.7
  Bottom Layer w0.3: Q1.1 60.3,47.26 v1(60.3,41.4)
DROGUE_OUT_DARLING: J3.4 Q1.3 | length 28
  Top Layer w1: J3.4 44.48,49.93 46.85,52.3 63.1,52.3 65.24,50.16 Q1.3
DROGUE_RED: D4.1 R5.2 | length 2.2
  Top Layer w0.3: R5.2 D4.1
GND: B1.2 C1.1 C2.1 C3.1 C4.2 C5.2 C6.2 D1.2 D3.2 J1.2 J2.2 J3.2 J3.3 R3.1 U1.1 U1.34 U1.47 U1.51 U2.3 U2.5 U2.8 U2.9 U3.1 U3.9 U3.11 U3.18 U4.2 U4.4 | length 51.8
  Top Layer w0.2: C2.1 v1(30.8,36.5)
  Top Layer w0.25: v2(26.55,31.6) 26.55,31.722 26.787,31.959 U2.3 ; U2.9 27.287,35.163 27.3,35.175 ; U2.5 28.65,32.8 ; U2.8 27.787,34.837 27.8,34.85 ; v1(37.5,30.25) U3.1 ; U3.18 37.5,36.975 ; U3.9 41.7,33.75 ; U3.11 41.353,34.75 41.664,35.061
  Top Layer w0.3: U1.1 11.35,12.34 D1.2 ; R3.1 18.317,31.483 v1(19.885,31.483) ; v1(22.2,32.4) 24.225,32.4 C1.1 ; 27.3,35.175 27.425,35.3 28.25,35.3 ; 27.8,34.85 28.25,35.3 ; 28.65,32.8 29.25,32.2 v1(30.7,32.2) ; C2.1 28.725,35.476 28.549,35.3 28.25,35.3 ; v1(32.4,36.5) 34.575,36.5 C6.2 34.788,36.363 34.788,37.224 35.113,37.55 36.925,37.55 37.5,36.975 ; v1(35,8.4) D3.2 ; v1(36.1,40.6) 36.289,40.6 36.639,40.25 C4.2 ; v1(41.5,30.25) 43.975,30.25 C3.1 ; v1(41.6,37.3) 41.664,37.236 41.664,35.061 ; 41.7,33.75 45.75,33.75 v1(46.5,34.5) ; C5.2 44.075,36.9 v1(46.5,36.9) ; U4.2 60.382,32.207 60.382,30.017 v1(60.4,30) ; U4.4 62.952,32.177 62.952,30.047 v1(63,30)
MAIN: R6.1 U1.25 | length 2.7
  Top Layer w0.3: R6.1 69.71,30.29 U1.25
MAIN_OPTO: D5.2 U4.3 | length 11.3
  Top Layer w0.3: U4.3 61.635,34.385 64.2,36.95 D5.2
MAIN_OPTO_C: R8.1 U4.6 | length 3.8
  Top Layer w0.3: U4.6 61.635,38.125 62.8,39.29 R8.1
MAIN_OPTO_E: Q2.1 U4.5 | length 12.6
  Top Layer w0.3: U4.5 66.288,37.775 69.973,41.46 Q2.1
MAIN_OUT_DARLING: J3.1 Q2.3 | length 25.8
  Bottom Layer w1: J3.1 56.425,51.625 68.915,51.625 Q2.3
MAIN_RED: D5.1 R6.2 | length 2
  Top Layer w0.3: R6.2 D5.1
REGOUT: C5.1 U3.10 | length 3.7
  Top Layer w0.25: U3.10 41.525,34.25
  Top Layer w0.3: 41.525,34.25 41.56,34.25 42.485,35.175 C5.1
SCL: R9.2 U1.41 U2.2 U3.23 | length 18.6
  Top Layer w0.25: 25.675,33.3 U2.2 ; 35.45,33.25 U3.23
  Top Layer w0.3: 25.675,33.3 25.675,30.995 U1.41 30.25,28.78 30.25,29.65 R9.2 30.6,30.175 33.675,33.25 35.45,33.25
SDA: R10.2 U1.40 U2.4 U3.24 | length 16.3
  Top Layer w0.25: U2.4 27.287,32.137 27.3,32.125 ; 35.925,32.75 U3.24
  Top Layer w0.3: 27.3,32.125 27.3,31.4 v1(29.2,29.5) ; U1.40 32.835,28.825 34.9,28.825 35.9,29.825 R10.2 35.925,30.025 35.925,32.75
  Bottom Layer w0.3: v1(29.2,29.5) 29.389,29.5 31.289,27.6 U1.40
SYSTEMS_BAD: R1.1 U1.4 | length 4
  Top Layer w0.3: R1.1@18.905,8.405 U1.4@18.905,12.395
  Top Layer w0.5: R1.1 R1.1@18.905,8.405 ; U1.4@18.905,12.395 U1.4
SYSTEMS_BAD_RED: D1.1 R1.2 | length 2.9
  Top Layer w0.3: D1.1 R1.2
SYSTEMS_GOOD: R2.1 U1.14 | length 4
  Top Layer w0.3: U1.14 44.31,8.49 R2.1
SYSTEMS_GOOD_GREEN: D3.1 R2.2 | length 2.9
  Top Layer w0.3: D3.1 R2.2
V1: D2.1 J1.1 | length 14
  Top Layer w1: J1.1 3.765,11.535 3.765,25.39 D2.1
V2: D6.1 J2.1 | length 13.9
  Top Layer w0.3: D6.1 D6.1@100.23,25.395
  Top Layer w1: J2.1 D6.1@100.23,25.395
VBAT: B1.1 U1.49 | length 18.7
  Top Layer w0.3: U1.49 61.07,19 B1.1
VDARLING: D6.2 Q1.2 Q2.2 R7.2 R8.2 | length 53.4
  Top Layer w1: R7.2 R8.2@62.75,42.9 ; Q1.2 62.75,47.35 R8.2@62.75,42.9 ; D6.2 100.2,28.725 84.925,44 Q2.2 66.75,44 65.65,42.9 R8.2 R8.2@62.75,42.9
pads on no net: "TH1.Mounting Hole Non-Plated" "TH2.Mounting Hole Non-Plated" "TH3.Mounting Hole Non-Plated" "TH4.Mounting Hole Non-Plated" "TH5.Mounting Hole Non-Plated" "TH6.Mounting Hole Non-Plated" U1.2 U1.3 U1.5 U1.6 U1.7 U1.8 U1.9 U1.10 U1.11 U1.12 U1.13 U1.16 U1.17 U1.18 U1.19 U1.20 U1.21 U1.22 U1.23 U1.24 U1.26 U1.27 U1.28 U1.29 U1.30 U1.32 U1.33 U1.35 U1.36 U1.37 U1.38 U1.39 U1.42 U1.43 U1.44 U1.52 U1.53 U2.7 U3.2 U3.3 U3.4 U3.5 U3.6 U3.7 U3.12 U3.14 U3.15 U3.16 U3.17 U3.19 U3.21 U3.22 U3.25

## Polygon pours and split planes (outlines as drawn)
GND on Bottom Layer "GND" (solid, pour order 0): 4.971,7.3 104.4,7.3 104.4,49.32 4.785,49.32
3.3V on Top Layer "3.3V" (solid, pour order 1): 15.05,26.4 45.4,26.4 45.4,42.6 15.05,42.6

## Silkscreen, mask and mechanical layers (free items; w line width, h text height)
Top Overlay:
  drawing of 192 lines, arcs and shapes, not listed
  text "D+" at 45.5,52.25 h1.52 r180
  text "D-" at 47.75,52.25 h1.52 r180
  text "M-" at 50.25,52.25 h1.52 r180
  text "M+" at 52.75,52.25 h1.52 r180
  text "+X" at 36.627,50.812 h1.52
  text "UTSA" at 7.473,50.461 h2
  text "+Y" at 31.746,48.354 h1.52 r90
  text "+Z" at 38.588,46.027 h1.52 r90
  text "MAIN" at 66.05,33.7 h1 r90
  text "DROGUE" at 51.9,31.7 h1 r90
  text "AV+" at 0.754,15.754 h1.25
  text "AV-" at 5.754,15.754 h1.25
  text "EJ+" at 97.228,15.754 h1.25
  text "EJ-" at 102.228,15.754 h1.25
  text "SYSTEMS NO GO" at 9.254,3.254 h1
  text "SYSTEMS GO" at 36.254,3.254 h1
  text "This side up" at 54.754,2.262 h1.52
Bottom Overlay:
  text "LINDA SRAD AVIONICS 2.2" at 28.25,51.75 h1
Board:
  the board outline again, w0.254

## Text inside footprints (layer, text, board x,y; h text height)
B1: Top Overlay "+" at 78.667,18.5 h1; Top Overlay "-" at 88.667,18.5 h1
D1: Top Overlay "Red" at 11.867,9.65 h0.7
D3: Top Overlay "Green" at 36.617,9.65 h0.7
D4: Top Overlay "Red" at 57.6,34.567 h0.7 r90
D5: Top Overlay "Red" at 71.8,34.567 h0.7 r90
J1: Top Overlay "WIRES OUT" at 2.026,9.15 h0.7; Top Overlay "TERM BLK" at 2.318,13.15 h0.7
J2: Top Overlay "WIRES OUT" at 98.526,9.15 h0.7; Top Overlay "TERM BLK" at 98.818,13.15 h0.7
J3: Top Overlay "TERM BLK" at 50.972,45.65 h0.7 r180; Top Overlay "WIRES OUT" at 51.264,49.65 h0.7 r180
Q1: Top Overlay "E" at 65.59,50.867 h0.7 r90; Top Overlay "C" at 63.05,50.867 h0.7 r90; Top Overlay "B" at 60.51,50.867 h0.7 r90
Q2: Top Overlay "E" at 70.533,46.89 h0.7 r180; Top Overlay "C" at 70.533,44.35 h0.7 r180; Top Overlay "B" at 70.533,41.81 h0.7 r180
U1: Top Overlay "A9" at 19.11,24.667 h0.4 r90; Top Overlay "3.3V" at 47.05,14.3 h0.4 r90; Top Overlay "GND" at 14.03,24.467 h0.4 r90; Top Overlay "3.3V" at 55.7,16.8 h0.4 r90; Top Overlay "D12" at 44.2,14.5 h0.4 r90; Top Overlay "5V/VIN" at 11.475,23.6 h0.4 r90; Top Overlay "VBAT" at 55.7,14.267 h0.4 r90; Top Overlay "GND" at 55.7,19.467 h0.4 r90; Top Overlay "D2" at 19.11,14.667 h0.4 r90; Top Overlay "3.3V" at 16.57,24.3 h0.4 r90; Top Overlay "GND" at 11.49,16.124 h0.4 r90; Top Overlay "GND" at 47.05,24.467 h0.4 r90; Top Overlay "D33" at 69.91,24.467 h0.4 r90; Top Overlay "D39" at 54.67,24.467 h0.4 r90; Top Overlay "SCL" at 29.27,24.467 h0.4 r90; Top Overlay "SDA" at 31.81,24.467 h0.4 r90